# Allegro board AX7021B.brd (continued)
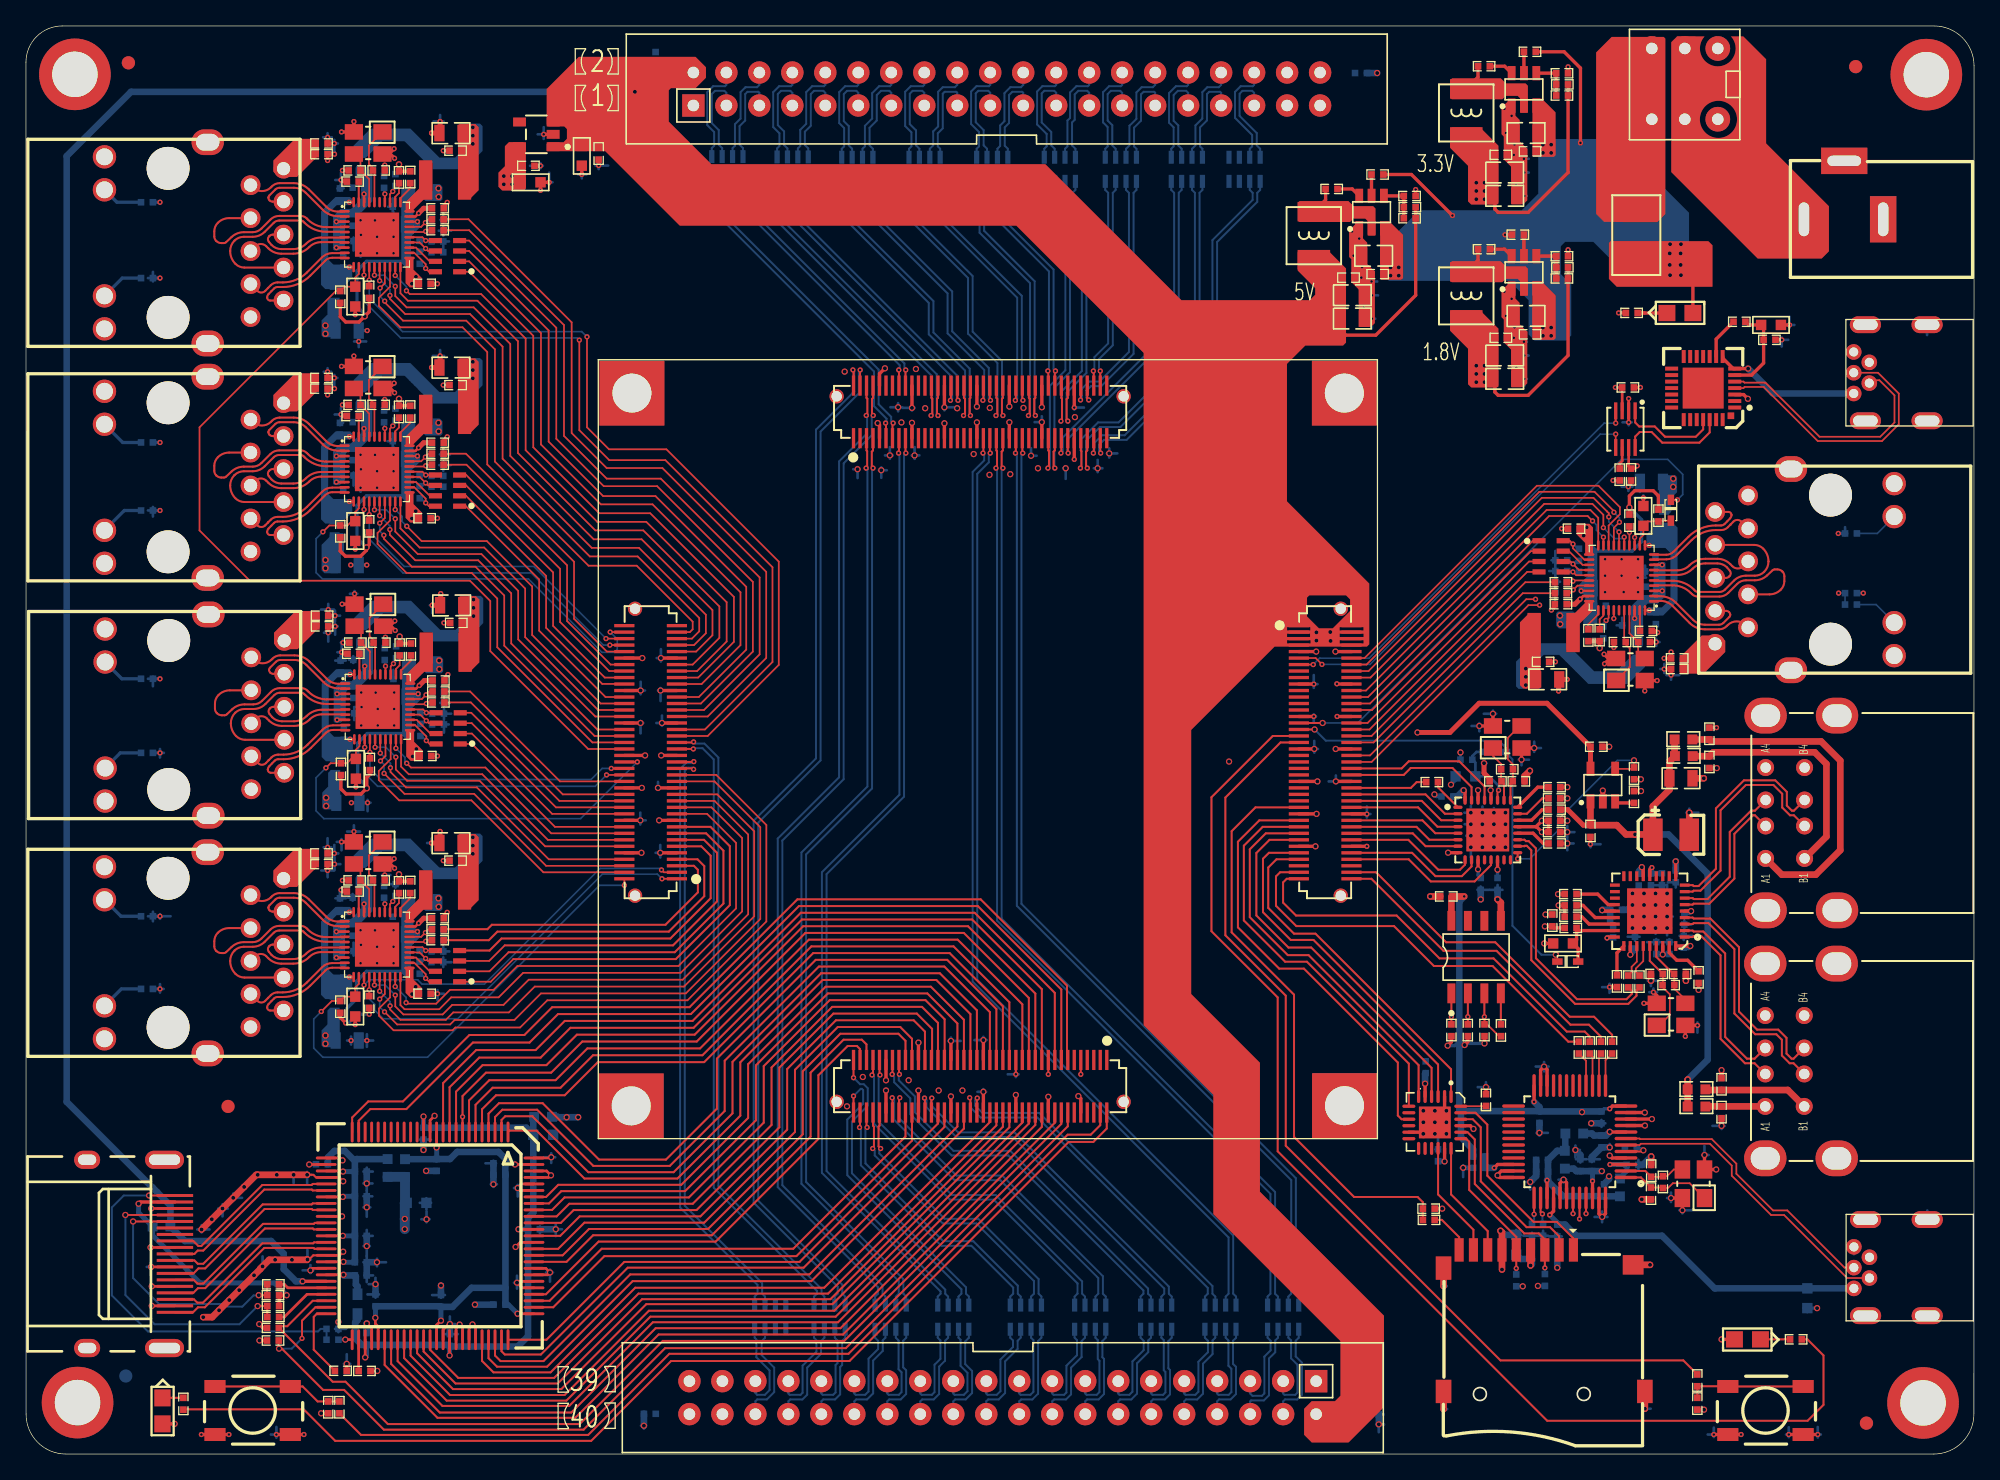
[diagram p0: board, top side]
## Routing (per net, layer and track width the routed paths; a pad name or vN(x,y) marks a point on that pad's centre or on a via; arc(x,y) is an arc through that point) (continued)
  BOTTOM w0.152: RN1.1 95.61,12.13 95.83,12.35 95.83,20.04 74.78,41.09 74.78,75.86 v1(74.7,75.94)
IO1_2P: length 75.7
  TOP w0.152: v1(75.23,75.94) 75.13,76.04 75.13,77.21 75.23,77.3 CON2.47
  BOTTOM w0.152: RN1.2 96.41,12.13 96.19,12.35 96.19,20.18 75.13,41.24 75.13,75.85 v1(75.23,75.94)
IO1_3N: length 75.5
  TOP w0.152: v1(73.7,77.1) 73.73,77.13 CON2.41
  BOTTOM w0.152: RN3.3 92.38,12.13 92.61,12.35 92.61,16.68 72.9,36.39 72.9,75.65 73.79,76.54 73.79,77.01 v1(73.7,77.1)
IO1_3P: length 75.5
  TOP w0.152: v1(74.25,77.1) 74.23,77.13 CON2.43
  BOTTOM w0.152: v1(74.25,77.1) 74.14,76.99 74.14,76.39 73.25,75.5 73.25,36.54 92.96,16.83 92.96,12.35 93.18,12.13 RN3.4
IO1_4N: length 27.4
  TOP w0.152: v1(72.67,27.44) 72.73,27.39 CON4.44
  BOTTOM w0.152: RN3.1 90.78,12.13 91.01,12.35 91.01,12.8 77.88,25.92 73.51,25.92 72.75,26.68 72.75,27.37 v1(72.67,27.44)
IO1_4P: length 27.4
  TOP w0.152: CON4.42 73.23,27.39 v1(73.25,27.42)
  BOTTOM w0.152: RN3.2 91.58,12.13 91.36,12.35 91.36,12.94 78.03,26.28 73.66,26.28 73.1,26.83 73.1,27.27 v1(73.25,27.42)
IO1_5N: length 27.4
  TOP w0.152: v1(69.19,27.42) 69.23,27.38 CON4.58
  BOTTOM w0.152: RN5.3 87.43,12.13 87.65,12.35 87.65,12.75 75.98,24.42 71.63,24.42 69.34,26.71 69.34,27.27 v1(69.19,27.42)
IO1_5P: length 27.3
  TOP w0.152: v1(69.75,27.42) 69.73,27.39 CON4.56
  BOTTOM w0.152: RN5.4 88.23,12.13 88.01,12.35 88.01,12.89 76.13,24.78 71.78,24.78 69.7,26.86 69.7,27.37 v1(69.75,27.42)
IO1_6N: length 29.6
  TOP w0.152: v1(66.7,29.25) 66.73,29.27 CON4.67
  BOTTOM w0.152: RN5.1 85.83,12.13 86.05,12.35 86.05,12.59 75.65,23 71.28,23 68.1,26.18 68.1,27.4 66.85,28.64 66.85,29.09 v1(66.7,29.25)
IO1_6P: length 29.5
  TOP w0.152: CON4.65 67.23,29.28 v1(67.26,29.25)
  BOTTOM w0.152: v1(67.26,29.25) 67.21,29.2 67.21,28.79 68.45,27.55 68.45,26.33 71.43,23.35 75.79,23.35 86.41,12.74 86.41,12.35 86.63,12.13 RN5.2
IO1_7N: length 25.9
  TOP w0.152: v1(66.7,27.44) 66.73,27.42 CON4.68
  BOTTOM w0.152: v1(66.7,27.44) 66.85,27.29 66.85,25.75 71.51,21.09 75.03,21.09 82.57,13.55 82.57,12.35 82.35,12.13 RN7.3
IO1_7P: length 25.8
  TOP w0.152: CON4.66 67.23,27.38 v1(67.29,27.44)
  BOTTOM w0.152: v1(67.29,27.44) 67.24,27.39 67.24,25.87 71.65,21.45 75.18,21.45 82.93,13.7 82.93,12.35 83.15,12.13 RN7.4
IO1_8N: length 27.5
  TOP w0.152: v1(65.15,29.2) 65.23,29.27 CON4.73
  BOTTOM w0.152: v1(65.15,29.2) 65.3,29.04 65.3,25.44 71.15,19.6 74.52,19.6 80.97,13.15 80.97,12.35 80.75,12.13 RN7.1
IO1_8P: length 27.5
  TOP w0.152: v1(65.76,29.2) 65.73,29.23 CON4.71
  BOTTOM w0.152: v1(65.76,29.2) 65.66,29.09 65.66,25.59 71.3,19.95 74.67,19.95 81.33,13.29 81.33,12.35 81.55,12.13 RN7.2
IO1_9N: length 21.7
  TOP w0.152: CON4.74 65.23,25.29 65.3,25.22 65.3,23.63 v1(65.2,23.53)
  BOTTOM w0.152: RN9.3 77.4,12.13 77.62,12.35 77.62,13.33 73.18,17.77 70.59,17.77 65.36,23 65.36,23.38 v1(65.2,23.53)
IO1_9P: length 21.7
  TOP w0.152: v1(65.81,23.53) 65.65,23.69 65.65,25.22 65.73,25.29 CON4.72
  BOTTOM w0.152: v1(65.81,23.53) 65.81,23.53 65.71,23.43 65.71,23.15 70.74,18.12 73.33,18.12 77.98,13.48 77.98,12.35 78.2,12.13 RN9.4
IO1_10N: length 21.2
  TOP w0.152: CON4.78 64.23,25.2 v1(64.19,25.16)
  BOTTOM w0.152: v1(64.19,25.16) 64.29,25.06 64.29,22.24 70.49,16.04 72.8,16.04 76.02,12.82 76.02,12.35 75.8,12.13 RN9.1
IO1_10P: length 21.2
  TOP w0.152: CON4.76 64.73,25.2 v1(64.77,25.16)
  BOTTOM w0.152: RN9.2 76.6,12.13 76.38,12.35 76.38,12.97 72.95,16.39 70.64,16.39 64.64,22.39 64.64,25.03 v1(64.77,25.16)
IO1_11N: length 23.1
  TOP w0.152: CON4.80 v1(63.73,27.58)
  BOTTOM w0.152: RN11.3 71.81,12.13 72.03,12.35 72.03,12.7 63.25,21.48 63.25,25.76 64.47,26.98 64.47,28.03 64.37,28.13 64.28,28.13 v1(63.73,27.58)
IO1_11P: length 23.7
  TOP w0.152: CON4.79 v1(63.73,28.99)
  BOTTOM w0.152: RN11.4 72.61,12.13 72.39,12.35 72.39,12.84 63.6,21.63 63.6,25.62 64.82,26.83 64.82,28.18 64.52,28.49 64.23,28.49 v1(63.73,28.99)
IO1_12N: length 73.2
  TOP w0.152: CON2.15 67.23,77.13 v1(67.2,77.1)
  BOTTOM w0.152: RN11.1 70.21,12.13 70.43,12.35 70.43,12.52 61.29,21.66 61.29,44.81 67.26,50.78 67.26,77.04 v1(67.2,77.1)
IO1_12P: length 73.2
  TOP w0.152: v1(67.75,77.1) 67.73,77.13 CON2.17
  BOTTOM w0.152: v1(67.75,77.1) 67.62,76.96 67.62,50.63 61.65,44.67 61.65,21.81 70.79,12.66 70.79,12.35 71.01,12.13 RN11.2
IO1_13N: length 72.2
  TOP w0.152: v1(64.7,75.94) 64.78,76.02 64.78,77.25 64.73,77.3 CON2.5
  BOTTOM w0.152: RN13.3 66.98,12.13 67.21,12.35 67.21,13.33 59.72,20.81 59.72,46.34 64.8,51.42 64.8,75.84 v1(64.7,75.94)
IO1_13P: length 72.2
  TOP w0.152: CON2.7 65.23,77.3 65.13,77.21 65.13,76.04 v1(65.23,75.94)
  BOTTOM w0.152: v1(65.23,75.94) 65.15,75.87 65.15,51.27 60.07,46.19 60.07,20.96 67.56,13.47 67.56,12.35 67.78,12.13 RN13.4
IO1_14N: length 77.1
  TOP w0.152: CON2.6 64.73,81.35 64.79,81.29 64.79,80.08 v1(64.71,80)
  BOTTOM w0.152: RN13.1 65.38,12.13 65.61,12.35 65.61,12.84 57.89,20.56 57.89,47.4 62.61,52.13 62.61,76.46 64.77,78.62 64.77,79.94 v1(64.71,80)
IO1_14P: length 77.1
  TOP w0.152: CON2.8 65.23,81.35 65.15,81.27 65.15,80.09 v1(65.24,80)
  BOTTOM w0.152: v1(65.24,80) 65.13,79.89 65.13,78.47 62.97,76.31 62.97,51.98 58.24,47.26 58.24,20.71 65.96,12.99 65.96,12.35 66.18,12.13 RN13.2
IO1_15N: length 79.3
  TOP w0.152: v1(63.68,83.51) 63.73,83.46 CON2.2
  BOTTOM w0.152: RN15.3 62.28,12.13 62.51,12.35 62.51,12.89 56.03,19.37 56.03,48.78 60.83,53.58 60.83,78.9 63.78,81.85 63.78,83.4 v1(63.68,83.51)
IO1_15P: length 79.3
  TOP w0.152: v1(64.24,83.5) 64.23,83.49 CON2.4
  BOTTOM w0.152: v1(64.24,83.5) 64.14,83.4 64.14,81.7 61.19,78.76 61.19,53.43 56.39,48.63 56.39,19.51 62.86,13.04 62.86,12.35 63.08,12.13 RN15.4
IO1_16N: length 48.6
  TOP w0.152: CON3.41 v1(51.39,54.31)
  BOTTOM w0.152: RN15.1 60.68,12.13 60.91,12.35 60.91,12.57 52.96,20.51 52.96,53.5 52.1,54.37 51.45,54.37 v1(51.39,54.31)
IO1_16P: length 49.3
  TOP w0.152: CON3.43 51.37,54.81 v1(51.41,54.85)
  BOTTOM w0.152: RN15.2 61.48,12.13 61.26,12.35 61.26,12.72 53.32,20.66 53.32,53.65 52.24,54.72 51.54,54.72 v1(51.41,54.85)
IO1_17N: length 46.5
  TOP w0.152: v1(51.43,53.34) 51.4,53.31 CON3.37
  BOTTOM w0.152: v1(51.43,53.34) 51.32,53.22 50.83,53.22 50.37,52.77 50.37,18.99 56.33,13.03 56.33,12.35 56.11,12.13 RN17.1
IO1_17P: length 45.9
  TOP w0.152: v1(51.41,52.74) 51.34,52.81 CON3.35
  BOTTOM w0.152: v1(51.41,52.74) 51.28,52.87 50.97,52.87 50.73,52.62 50.73,19.14 56.69,13.17 56.69,12.35 56.91,12.13 RN17.2
IO2_1N: length 25.5
  TOP w0.152: v1(66.78,79.41) 66.73,79.36 CON2.13
  BOTTOM w0.152: v1(66.78,79.41) 66.63,79.56 66.63,79.89 65.66,80.86 65.66,83.53 53.39,95.8 53.39,97.2 53.61,97.42 RN2.3
IO2_1P: length 25.5
  TOP w0.152: CON2.11 66.23,79.38 v1(66.19,79.41)
  BOTTOM w0.152: RN2.4 52.81,97.42 53.03,97.2 53.03,95.65 65.3,83.38 65.3,80.71 66.27,79.75 66.27,79.49 66.19,79.41 v1(66.19,79.41)
IO2_2N: length 21.2
  TOP w0.152: v1(67.74,83.5) 67.73,83.48 CON2.18
  BOTTOM w0.152: RN2.1 55.21,97.42 54.99,97.2 54.99,96.66 67.64,84.01 67.64,83.6 v1(67.74,83.5)
IO2_2P: length 21.2
  TOP w0.152: v1(67.21,83.5) 67.23,83.49 CON2.16
  BOTTOM w0.152: v1(67.21,83.5) 67.24,83.5 67.29,83.55 67.29,83.86 54.63,96.52 54.63,97.2 54.41,97.42 RN2.2
IO2_3N: length 25.4
  TOP w0.152: v1(70.23,79.99) 70.15,80.07 70.15,81.28 70.23,81.35 70.23,81.85 CON2.28
  BOTTOM w0.152: v1(70.23,79.99) 70.13,80.09 70.13,83.17 58.42,94.89 58.42,97.17 58.64,97.4 RN4.3
IO2_3P: length 25.4
  TOP w0.152: v1(69.7,79.99) 69.79,80.09 69.79,81.28 69.73,81.35 CON2.26
  BOTTOM w0.152: RN4.4 57.84,97.4 58.06,97.17 58.06,94.74 69.78,83.02 69.78,80.07 v1(69.7,79.99)
IO2_4N: length 23
  TOP w0.152: CON2.34 71.73,81.9 71.73,81.21 v1(71.77,81.16)
  BOTTOM w0.152: RN4.1 60.24,97.4 60.02,97.17 60.02,94.75 71.68,83.09 71.68,81.25 v1(71.77,81.16)
IO2_4P: length 23
  TOP w0.152: CON2.32 71.23,81.85 71.23,81.2 v1(71.19,81.16)
  BOTTOM w0.152: RN4.2 59.44,97.4 59.66,97.17 59.66,94.61 71.32,82.94 71.32,81.3 v1(71.19,81.16)
IO2_5N: length 24.4
  TOP w0.152: v1(72.73,79.99) 72.66,80.06 72.66,81.29 72.73,81.35 72.73,81.85 CON2.38
  BOTTOM w0.152: v1(72.73,79.99) 72.67,80.05 72.67,83.6 69.88,86.4 69.88,88.81 63.4,95.29 63.4,97.15 63.62,97.37 RN6.3
IO2_5P: length 24.4
  TOP w0.152: CON2.36 72.23,81.8 72.23,81.35 72.31,81.27 72.31,80.11 v1(72.2,79.99)
  BOTTOM w0.152: RN6.4 62.82,97.37 63.04,97.15 63.04,95.14 69.52,88.66 69.52,86.25 72.32,83.46 72.32,80.11 v1(72.2,79.99)
IO2_6N: length 22
  TOP w0.152: CON2.44 74.23,81.21 v1(74.27,81.16)
  BOTTOM w0.152: RN6.1 65.22,97.37 65,97.15 65,95.88 71.32,89.55 71.32,86.47 74.14,83.65 74.14,81.29 v1(74.27,81.16)
IO2_6P: length 21.9
  TOP w0.152: CON2.42 73.73,82.03 73.73,81.2 v1(73.69,81.16)
  BOTTOM w0.152: v1(73.69,81.16) 73.79,81.26 73.79,83.51 70.97,86.33 70.97,89.4 64.64,95.73 64.64,97.15 64.42,97.37 RN6.2
IO2_7N: length 23.2
  TOP w0.152: v1(75.23,79.99) 75.15,80.07 75.15,81.28 75.23,81.35 75.23,82.08 CON2.48
  BOTTOM w0.152: v1(75.23,79.99) 75.16,80.06 75.16,84.19 72.9,86.45 72.9,90.74 68.58,95.06 68.58,97.15 68.8,97.37 RN8.3
IO2_7P: length 23.3
  TOP w0.152: v1(74.7,79.99) 74.8,80.1 74.8,81.28 74.73,81.35 74.73,82.08 CON2.46
  BOTTOM w0.152: RN8.4 68,97.37 68.22,97.15 68.22,94.91 72.54,90.59 72.54,86.3 74.8,84.04 74.8,80.1 v1(74.7,79.99)
IO2_8N: length 20.8
  TOP w0.152: CON2.54 76.73,82.1 76.73,82.1 76.73,81.21 v1(76.77,81.16)
  BOTTOM w0.152: v1(76.77,81.16) 76.68,81.25 76.68,89.21 70.18,95.72 70.18,97.15 70.4,97.37 RN8.1
IO2_8P: length 20.9
  TOP w0.152: CON2.52 76.23,82.05 76.23,81.2 v1(76.19,81.16)
  BOTTOM w0.152: RN8.2 69.6,97.37 69.82,97.15 69.82,95.57 76.33,89.06 76.33,81.3 v1(76.19,81.16)
IO2_9N: length 22.1
  TOP w0.152: v1(77.73,79.99) 77.64,80.08 77.64,81.27 77.73,81.35 77.73,82.05 CON2.58
  BOTTOM w0.152: RN10.3 74.01,97.37 73.78,97.15 73.78,94.22 77.67,90.33 77.67,80.05 v1(77.73,79.99)
IO2_9P: length 22.2
  TOP w0.152: v1(77.2,79.99) 77.29,80.09 77.29,81.29 77.23,81.35 77.23,82 CON2.56
  BOTTOM w0.152: RN10.4 73.21,97.37 73.43,97.15 73.43,94.08 77.32,90.19 77.32,80.12 v1(77.2,79.99)
IO2_10N: length 17.5
  TOP w0.152: CON2.64 79.23,83.38 v1(79.27,83.43)
  BOTTOM w0.152: RN10.1 75.61,97.37 75.38,97.15 75.38,94.99 79.13,91.24 79.13,83.57 v1(79.27,83.43)
IO2_10P: length 17.4
  TOP w0.152: CON2.62 78.73,83.39 v1(78.69,83.43)
  BOTTOM w0.152: RN10.2 74.81,97.37 75.03,97.15 75.03,94.84 78.77,91.09 78.77,83.51 v1(78.69,83.43)
IO2_11N: length 25.6
  TOP w0.152: v1(79.23,75.94) 79.13,76.04 79.13,77.21 79.23,77.3 CON2.63
  BOTTOM w0.152: v1(79.23,75.94) 79.2,75.97 79.2,82.14 80.39,83.33 80.39,92.04 78.99,93.44 78.99,97.15 79.21,97.37 RN12.3
IO2_11P: length 25.7
  TOP w0.152: CON2.61 78.73,77.3 78.78,77.25 78.78,76.02 v1(78.7,75.94)
  BOTTOM w0.152: v1(78.7,75.94) 78.84,76.09 78.84,82.28 80.04,83.48 80.04,91.89 78.64,93.29 78.64,97.15 78.41,97.37 RN12.4
IO2_12N: length 22.5
  TOP w0.152: v1(80.23,79.56) 80.13,79.66 80.13,81.26 80.23,81.35 80.23,82.03 80.23,82.03 CON2.68
  BOTTOM w0.152: v1(80.23,79.56) 80.14,79.65 80.14,81.75 81.66,83.27 81.66,92.82 80.59,93.89 80.59,97.15 80.81,97.37 RN12.1
IO2_12P: length 22.5
  TOP w0.152: v1(79.7,79.56) 79.78,79.64 79.78,81.3 79.73,81.35 79.73,81.95 79.73,81.95 CON2.66
  BOTTOM w0.152: v1(79.7,79.56) 79.78,79.65 79.78,81.9 81.31,83.42 81.31,92.68 80.24,93.75 80.24,97.15 80.01,97.37 RN12.2
IO2_13N: length 16.3
  TOP w0.152: v1(82.73,83.42) 82.73,83.42 CON2.78
  BOTTOM w0.152: v1(82.73,83.42) 82.63,83.52 82.63,84.34 83.69,85.4 83.69,97.15 83.91,97.37 RN14.3
IO2_13P: length 16.3
  TOP w0.152: v1(82.2,83.42) 82.23,83.39 CON2.76
  BOTTOM w0.152: v1(82.2,83.42) 82.27,83.5 82.27,84.49 83.33,85.55 83.33,97.15 83.11,97.37 RN14.4
IO2_14N: length 20.1
  TOP w0.152: v1(81.84,81.19) 81.73,81.3 CON2.74
  BOTTOM w0.152: RN14.1 85.51,97.37 85.29,97.15 85.29,84.74 82.81,82.26 82.02,82.26 81.66,81.9 81.66,81.37 v1(81.84,81.19)
IO2_14P: length 20.1
  TOP w0.152: CON2.72 81.23,81.21 v1(81.21,81.19)
  BOTTOM w0.152: RN14.2 84.71,97.37 84.93,97.15 84.93,84.89 82.66,82.61 81.87,82.61 81.31,82.05 81.31,81.29 v1(81.21,81.19)
IO2_15N: length 25.8
  TOP w0.152: v1(80.25,77.1) 80.23,77.13 CON2.67
  BOTTOM w0.152: RN16.3 88.99,97.37 88.77,97.15 88.77,86.72 80.19,78.14 80.19,77.17 v1(80.25,77.1)
IO2_15P: length 25.8
  TOP w0.152: v1(79.7,77.1) 79.73,77.13 CON2.65
  BOTTOM w0.152: RN16.4 88.19,97.37 88.41,97.15 88.41,86.87 79.83,78.29 79.83,77.24 v1(79.7,77.1)
IO2_16N: length 29.1
  TOP w0.152: v1(81.73,75.94) 81.63,76.04 81.63,77.21 81.73,77.3 81.73,77.81 81.73,77.81 CON2.73
  BOTTOM w0.152: v1(81.73,75.94) 81.64,76.04 81.64,78.04 82.7,79.11 84.28,79.11 90.37,85.2 90.37,97.15 90.59,97.37 RN16.1
IO2_16P: length 29.1
  TOP w0.152: CON2.71 81.23,77.3 81.28,77.25 81.28,76.02 v1(81.2,75.94)
  BOTTOM w0.152: v1(81.2,75.94) 81.28,76.03 81.28,78.19 82.56,79.46 84.13,79.46 90.01,85.35 90.01,97.15 89.79,97.37 RN16.2
IO2_17N: length 28.3
  TOP w0.152: CON2.77 82.73,77.13 v1(82.75,77.1)
  BOTTOM w0.152: v1(82.75,77.1) 82.63,77.23 82.63,77.74 83.01,78.12 84.76,78.12 91.72,85.08 91.72,93.36 94.82,96.45 94.82,97.15 95.04,97.37 RN18.1
IO2_17P: length 28.3
  TOP w0.152: v1(82.2,77.1) 82.23,77.13 CON2.75
  BOTTOM w0.152: RN18.2 94.24,97.37 94.46,97.15 94.46,96.6 91.37,93.5 91.37,85.23 84.61,78.47 82.86,78.47 82.27,77.88 82.27,77.18 v1(82.2,77.1)
OTG_CLK: length 5.9
  TOP w0.152: R37.1 107.09,51.75 106.64,51.31 CON1.52
OTG_D_N: length 19.6
  TOP w0.152: R150.1 123.66,35.67 123.66,35.45 123.24,35.03 119.43,35.03 116.27,38.19 116.27,46.65 115.72,47.21 115.5,47.21 115.39,47.32 U7.19
OTG_D_P: length 20.2
  TOP w0.152: R151.1 124.02,35.71 124.02,35.3 123.39,34.68 119.29,34.68 115.92,38.05 115.92,46.51 115.57,46.85 115.43,46.85 115.39,46.82 U7.18
OTG_DATA0: length 8.8
  TOP w0.152: CON1.56 107.48,50.31 108.98,48.82 U7.3
OTG_DATA1: length 8.8
  TOP w0.152: CON1.58 107.2,49.81 108.69,48.32 U7.4
OTG_DATA2: length 8.6
  TOP w0.152: CON1.62 107.54,48.81 108.53,47.82 U7.5
OTG_DATA3: length 8.6
  TOP w0.152: U7.6 108.07,47.32 107.07,48.31 CON1.64
OTG_DATA4: length 8.6
  TOP w0.152: U7.7 107.78,46.82 106.79,47.81 CON1.66
OTG_DATA5: length 10.2
  TOP w0.152: U7.9 110.82,45.4 110.42,45.01 108.75,45.01 106.45,47.31 CON1.68
OTG_DATA6: length 10.8
  TOP w0.152: U7.10 111.32,45.26 110.57,44.51 108.54,44.51 106.74,46.31 CON1.72
OTG_DATA7: length 12.4
  TOP w0.152: CON1.74 106.48,45.81 108.18,44.11 111.55,44.11 112.82,45.37 U7.13
OTG_DIR: length 11.1
  TOP w0.152: U7.31 111.32,51.37 109.85,52.85 106.63,52.85 106.1,52.31 CON1.48
OTG_ID: length 2.9
  TOP w0.152: R162.1 116.77,50.51 115.58,49.32 U7.23
OTG_NXT: length 8.8
  TOP w0.152: CON1.54 107.77,50.81 109.27,49.32 U7.2
OTG_RESET: length 35.3
  TOP w0.127: v3(117.81,38.46) 117.93,38.34 D3.1
  TOP w0.152: CON1.33 v3(99.23,55.81)
  BOTTOM w0.152: v3(117.81,38.46) 116.7,38.46 114.46,40.7 114.46,53.52 D2.1 113.9,54.47 113.42,54.95 100.09,54.95 v3(99.23,55.81)
OTG_STP: length 12.3
  TOP w0.152: U7.29 112.32,51.41 110.37,53.36 106.48,53.36 105.93,52.81 CON1.46
PHY1_ADVDDL: length 1.9
  TOP w0.19: U6.3 v1(126,66.49) ; U6.8 v1(126,68.49) ; U6.38 v1(123.87,64.36)
PHY1_AVDD33: length 0.7
  TOP w0.191: U6.11 v1(125,69.99) ; U6.40 v1(125,64.99)
PHY1_DVDDL:
  vias: v2(115.49,60.5) v2(115.49,59.86) v2(115.49,59.23) v2(119.95,70.74) v2(120.18,71.38)
PHY1_ENB_LDO: length 1.6
  TOP w0.127: U6.32 121.47,64.58 121.18,64.29 R1028.1
PHY1_ETH_RXD2: length 2.4
  TOP w0.127: U6.23 119.87,68.49 118.81,69.55 RN19.7
PHY1_INT_N: length 1.8
  TOP w0.127: U6.31 121.07,64.68 120.31,63.92 R1025.2
PHY1_IODVDD: length 13
  TOP w0.127: U6.28 v1(119.76,66.49)
  TOP w0.254: R1027.2 v2(123.47,72.91) 123.47,73.79 123.88,74.2 125.3,74.2 125.7,73.8 R1026.2
  BOTTOM w0.254: v2(123.47,72.91) 124.41,71.97 124.41,70.28 123.68,69.55 120.69,69.55 R1040.2
PHY1_LED1: length 28.2
  TOP w0.127: v1(121.68,64.21) 121.87,64.4 U6.33
  SVCC w0.127: J4.14 140.6,71.49 136.29,71.49 134.79,69.99 131.97,69.99 130.65,68.66 127.4,68.66 124.56,65.82 122.9,65.82 121.68,64.6 v1(121.68,64.21)
  BOTTOM w0.127: R1030.1 121.45,63.98 v1(121.68,64.21)
PHY1_LED2: length 21.5
  TOP w0.127: U6.34 v1(122.27,64.35)
  SVCC w0.127: v1(122.27,64.35) 122.79,64.87 124.14,64.87 124.54,64.47 125.41,64.47 127.14,66.2 130.78,66.2 132.17,67.59 138.31,67.59 v1(139.58,66.31)
  BOTTOM w0.127: R1035.2 R1029.1 v1(139.58,66.31)
PHY1_MDC: length 30
  TOP w0.127: U6.13 v1(123.87,70.61) ; v1(116.24,65.84) 115.53,65.84 103.5,53.81 CON1.42
  SVCC w0.127: v1(116.24,65.84) 116.24,66.35 119,69.11 119.74,69.11 120.14,69.51 123.3,69.51 123.87,70.08 v1(123.87,70.61)
PHY1_MDI0_N: length 8.3
  TOP w0.152: U6.2 125.39,66.07 125.87,66.07 arc(126.51,65.94) 127.04,65.58 128.37,64.26 arc(128.79,63.98) 129.29,63.88 130.37,63.88 arc(130.55,63.92) 130.71,64.02 131.17,64.48 arc(131.22,64.55) 131.24,64.64 131.24,64.64 arc(131.21,64.75) 131.15,64.85 arc(131.04,64.92) 130.91,64.95 J4.P3
PHY1_MDI0_P: length 8.4
  TOP w0.152: J4.P2 132.44,63.85 arc(131.74,64.14) 131.04,63.85 130.96,63.77 arc(130.69,63.59) 130.37,63.52 129.29,63.52 arc(128.65,63.65) 128.12,64.01 126.79,65.33 arc(126.37,65.62) 125.87,65.71 125.4,65.71 U6.1
PHY1_MDI1_N: length 15
  TOP w0.152: J4.P7 133.08,70.03 arc(133.46,69.95) 133.77,69.74 arc(134.07,69.29) 134.18,68.76 134.18,68.75 arc(134.1,68.32) 133.85,67.96 arc(133.84,67.95) 133.83,67.94 arc(133.51,67.73) 133.13,67.66 132.44,67.66 arc(131.95,67.56) 131.52,67.28 130.83,66.58 arc(130.63,66.45) 130.4,66.4 128.75,66.4 arc(128.64,66.43) 128.54,66.49 128.45,66.59 arc(127.69,67.09) 126.79,67.27 125.39,67.27 U6.5
PHY1_MDI1_P: length 15
  TOP w0.152: U6.4 125.39,66.91 126.79,66.91 arc(127.55,66.76) 128.19,66.33 128.29,66.24 arc(128.5,66.1) 128.75,66.05 130.4,66.05 arc(130.77,66.12) 131.08,66.33 131.77,67.02 arc(132.08,67.23) 132.44,67.3 133.13,67.3 arc(133.64,67.4) 134.07,67.68 134.5,68.07 arc(134.57,68.12) 134.66,68.14 134.87,68.14 arc(135.07,68.1) 135.25,67.98 135.26,67.97 arc(135.37,67.81) 135.4,67.62 135.4,67.24 arc(135.33,66.88) 135.13,66.58 arc(134.73,66.31) 134.26,66.22 J4.P4
PHY1_MDI2_N: length 7.9
  TOP w0.152: J4.P6 132.24,68.38 arc(131.82,68.21) 131.4,68.38 131.24,68.54 arc(130.78,68.85) 130.24,68.96 129.32,68.96 arc(128.66,68.83) 128.09,68.45 arc(127.67,68.17) 127.18,68.07 125.39,68.07 U6.7
PHY1_MDI2_P: length 7.9
  TOP w0.152: U6.6 125.39,67.71 127.18,67.71 arc(127.81,67.84) 128.34,68.2 arc(128.79,68.5) 129.32,68.6 130.24,68.6 arc(130.65,68.52) 130.99,68.29 131.21,68.03 arc(131.28,67.83) 131.19,67.63 131.15,67.59 arc(131.04,67.52) 130.9,67.49 J4.P5
PHY1_MDI3_N: length 8.5
  TOP w0.152: U6.10 125.39,69.27 126.32,69.27 arc(126.61,69.33) 126.86,69.49 128.02,70.65 arc(128.98,71.3) 130.12,71.53 130.53,71.53 arc(130.68,71.55) 130.8,71.64 131.01,71.85 131.22,72.07 arc(131.3,72.19) 131.33,72.34 131.33,72.34 arc(131.27,72.5) 131.1,72.57 J4.P9
PHY1_MDI3_P: length 8.6
  TOP w0.152: J4.P8 132.08,71.83 arc(131.78,71.95) 131.48,71.82 131.27,71.6 arc(131.26,71.6) 131.26,71.59 131.05,71.38 arc(130.81,71.23) 130.53,71.17 130.12,71.17 arc(129.12,70.97) 128.27,70.4 127.11,69.24 arc(126.75,69) 126.32,68.91 125.4,68.91 U6.9
PHY1_MDIO: length 32.7
  TOP w0.127: CON1.44 103.62,53.31 115.7,65.39 v1(116.56,65.39) ; U6.14 v1(123.47,70.99) 123.47,70.99 R1027.1
  SVCC w0.127: v1(123.47,70.99) 123.47,70.41 123.07,70 119.96,70 119.54,69.59 118.84,69.59 115.75,66.49 115.75,65.61 115.98,65.39 v1(116.56,65.39)
PHY1_RESET: length 41.1
  TOP w0.127: D35.1 v1(127.17,73.5)
  TOP w0.152: CON1.31 v3(99.85,56.31)
  BOTTOM w0.127: v3(99.85,56.31) 102.55,56.31 122.86,76.62 126.42,76.62 127.58,75.46 127.58,73.9 v1(127.17,73.5)
PHY1_RSET: length 1.6
  TOP w0.152: R1033.2 124.28,63.41 124.28,64.98 U6.39
PHY1_RXC_ADR1: length 2.5
  TOP w0.127: U6.27 119.47,66.89 v1(119.15,66.56) 118.89,66.31 R1031.1
  BOTTOM w0.127: v1(119.15,66.56) 118.94,66.36 R1041.2
PHY1_RXCK: length 20.4
  TOP w0.127: R1031.2 115.26,66.31 103.77,54.81 CON1.38
PHY1_RXCTL: length 20.6
  TOP w0.127: CON1.36 103.61,55.31 115.46,67.15 R1032.2
PHY1_RXCTL_ADR2: length 2.2
  TOP w0.127: U6.26 119.18,67.29 v1(119.12,67.24) 119.04,67.15 R1032.1
  BOTTOM w0.127: v1(119.12,67.24) 119.07,67.19 R1042.2
PHY1_RXD0: length 19.5
  TOP w0.127: RN19.4 115.6,67.95 103.46,55.81 CON1.34
PHY1_RXD0_RXDLY: length 3.1
  TOP w0.127: RN19.5 v1(119.12,67.95) 119.38,67.69 U6.25
  BOTTOM w0.127: R1039.1 119.14,67.97 v1(119.12,67.95) 119.05,68.02 R1036.2
PHY1_RXD1: length 19.6
  TOP w0.127: CON1.32 103.31,56.31 115.74,68.75 RN19.3
PHY1_RXD1_TXDLY: length 3.4
  TOP w0.127: U6.24 119.6,68.09 v1(119.13,68.56) 118.94,68.75 RN19.6
  BOTTOM w0.127: R1038.1 119.37,68.8 v1(119.13,68.56) 118.84,68.84 R1037.2
PHY1_RXD2: length 19.5
  TOP w0.127: CON1.28 103.65,57.31 115.89,69.55 RN19.2
PHY1_RXD3: length 19.6
  TOP w0.127: CON1.26 103.5,57.81 116.04,70.35 RN19.1
PHY1_RXD3_ADR0: length 3.4
  TOP w0.127: RN19.8 118.87,70.35 v1(119.13,70.09) 119.13,69.77 120,68.89 U6.22
  BOTTOM w0.127: R1040.1 119.48,69.74 v1(119.13,70.09)
PHY1_TXCK: length 27.1
  TOP w0.127: CON1.22 103.19,58.81 117.1,72.72 120.47,72.72 121.07,72.11 U6.20
PHY1_TXCTL: length 26.7
  TOP w0.127: CON1.24 103.34,58.31 117.28,72.25 120.26,72.25 v1(120.63,71.87) ; U6.19 v1(121.47,70.63)
  BOTTOM w0.127: v1(121.47,70.63) 120.94,71.16 120.94,71.57 v1(120.63,71.87)
PHY1_TXD0: length 30.2
  TOP w0.127: U6.18 121.87,71.52 122.74,72.39 122.74,72.93 121.09,74.59 116.35,74.59 103.07,61.31 CON1.12
PHY1_TXD1: length 29.3
  TOP w0.127: CON1.14 103.23,60.81 116.54,74.12 120.79,74.12 122.28,72.62 122.28,72.54 v1(122.28,72.54) ; U6.17 122.27,71.35 v1(122.7,71.78)
  BOTTOM w0.127: v1(122.7,71.78) 122.7,72.12 v1(122.28,72.54)
PHY1_TXD2: length 28.6
  TOP w0.127: U6.16 v1(122.67,71.02) ; v1(121.88,72.18) 121.88,72.47 121.76,72.6 120.71,73.65 116.72,73.65 103.38,60.31 CON1.16
  BOTTOM w0.127: v1(122.67,71.02) 121.88,71.81 v1(121.88,72.18)
PHY1_TXD3: length 28.9
  TOP w0.127: CON1.18 103.54,59.81 116.91,73.18 120.63,73.18 121.47,72.34 v1(121.47,71.36) ; U6.15 v1(123.07,70.63)
  BOTTOM w0.127: v1(121.47,71.36) 122.31,70.52 122.96,70.52 v1(123.07,70.63)
PHY2_ADVDDL: length 1.9
  TOP w0.19: v1(26.03,42.37) 26.03,41.74 U10.38 ; U10.8 v1(23.9,38.24) ; U10.3 v1(23.9,40.24)
PHY2_AVDD33: length 0.7
  TOP w0.191: U10.11 v1(24.91,36.74) ; U10.40 v1(24.91,41.74)
PHY2_DVDDL:
  vias: v2(29.73,35.43) v2(30.01,35.98) v2(34.41,47.5) v2(34.41,46.87) v2(34.41,46.23)
PHY2_ENB_LDO: length 1.6
  TOP w0.127: R1045.1 28.73,42.44 28.43,42.15 U10.32
PHY2_ETH_RXD2: length 2.4
  TOP w0.127: RN20.7 31.09,37.18 30.04,38.24 U10.23
PHY2_INT_N: length 1.8
  TOP w0.127: R1061.2 29.59,42.81 28.83,42.05 U10.31
PHY2_IODVDD: length 12.1
  TOP w0.127: U10.28 v1(30.15,40.24)
  TOP w0.254: R1060.2 24.2,33.62 v1(24.62,33.2) ; R1043.2 v1(26.43,33.88)
  BOTTOM w0.254: R1057.2 29.22,37.18 26.22,37.18 25.45,36.41 25.45,35.06 24.7,34.32 24.7,33.28 v1(24.62,33.2) 24.83,33.2 25.51,33.88 v1(26.43,33.88)
PHY2_LED1: length 28.3
  TOP w0.127: U10.33 28.03,42.35 v1(28.25,42.57)
  SVCC w0.127: J10.14 9.18,35.12 15.04,35.12 16.61,36.69 17.92,36.69 19.23,38 22.72,38 25.98,41.25 27.37,41.25 28.25,42.13 v1(28.25,42.57)
  BOTTOM w0.127: v1(28.25,42.57) 28.45,42.77 R1046.1
PHY2_LED2: length 25.4
  TOP w0.127: U10.34 v1(27.63,42.38)
  SVCC w0.127: v1(27.63,42.38) 27.11,41.86 25.73,41.86 24.97,41.09 21.29,41.09 20.8,40.6 18.96,40.6 17.61,41.95 9.32,41.95 J10.11
  BOTTOM w0.127: v1(27.63,42.38) 27.58,42.43 R1047.1
PHY2_MDC: length 28.8
  TOP w0.127: v1(48.94,44.99) 49.12,44.81 CON3.3 ; U10.13 v1(26.03,36.12)
  BOTTOM w0.127: v1(48.94,44.99) 48.82,45.11 44.21,45.11 35.3,36.2 30.49,36.2 30.16,36.53 26.44,36.53 v1(26.03,36.12)
PHY2_MDI0_N: length 8.3
  TOP w0.152: U10.2 24.51,40.66 24.03,40.66 arc(23.4,40.79) 22.86,41.15 21.54,42.47 arc(21.12,42.75) 20.62,42.85 19.53,42.85 arc(19.35,42.81) 19.2,42.71 18.73,42.25 arc(18.69,42.18) 18.67,42.09 18.67,42.09 arc(18.69,41.98) 18.76,41.88 arc(18.86,41.81) 18.99,41.78 J10.P3
PHY2_MDI0_P: length 8.4
  TOP w0.152: J10.P2 17.46,42.88 arc(18.17,42.59) 18.87,42.88 18.95,42.96 arc(19.22,43.14) 19.53,43.21 20.62,43.21 arc(21.25,43.08) 21.79,42.72 23.11,41.4 arc(23.54,41.12) 24.03,41.02 24.51,41.02 U10.1
PHY2_MDI1_N: length 15
  TOP w0.152: J10.P7 16.82,36.7 arc(16.45,36.78) 16.13,36.99 arc(15.83,37.44) 15.72,37.97 15.72,37.98 arc(15.81,38.41) 16.05,38.77 arc(16.06,38.78) 16.08,38.8 arc(16.4,39) 16.78,39.07 17.46,39.07 arc(17.96,39.17) 18.38,39.45 19.08,40.15 arc(19.27,40.28) 19.5,40.33 21.16,40.33 arc(21.27,40.3) 21.37,40.24 21.46,40.15 arc(22.22,39.64) 23.11,39.46 24.51,39.46 U10.5
PHY2_MDI1_P: length 15
  TOP w0.152: U10.4 24.51,39.82 23.11,39.82 arc(22.35,39.97) 21.71,40.4 21.62,40.49 arc(21.41,40.63) 21.16,40.68 19.5,40.68 arc(19.14,40.61) 18.83,40.4 18.13,39.71 arc(17.82,39.5) 17.46,39.43 16.78,39.43 arc(16.27,39.33) 15.83,39.05 15.41,38.66 arc(15.33,38.61) 15.25,38.59 15.04,38.59 arc(14.83,38.63) 14.66,38.75 14.64,38.76 arc(14.54,38.92) 14.5,39.11 14.5,39.49 arc(14.57,39.85) 14.77,40.15 arc(15.18,40.42) 15.65,40.51 J10.P4
PHY2_MDI2_N: length 7.9
  TOP w0.152: J10.P6 17.67,38.35 arc(18.09,38.52) 18.5,38.35 18.66,38.19 arc(19.12,37.88) 19.66,37.77 20.58,37.77 arc(21.25,37.9) 21.81,38.28 arc(22.23,38.56) 22.73,38.66 24.51,38.66 U10.7
PHY2_MDI2_P: length 7.9
  TOP w0.152: U10.6 24.51,39.02 22.73,39.02 arc(22.1,38.89) 21.56,38.53 arc(21.11,38.23) 20.58,38.13 19.66,38.13 arc(19.26,38.21) 18.91,38.44 18.7,38.7 arc(18.63,38.9) 18.72,39.1 18.75,39.14 arc(18.87,39.22) 19.01,39.24 J10.P5
